# Allegro board HY_IP6538_V10.brd
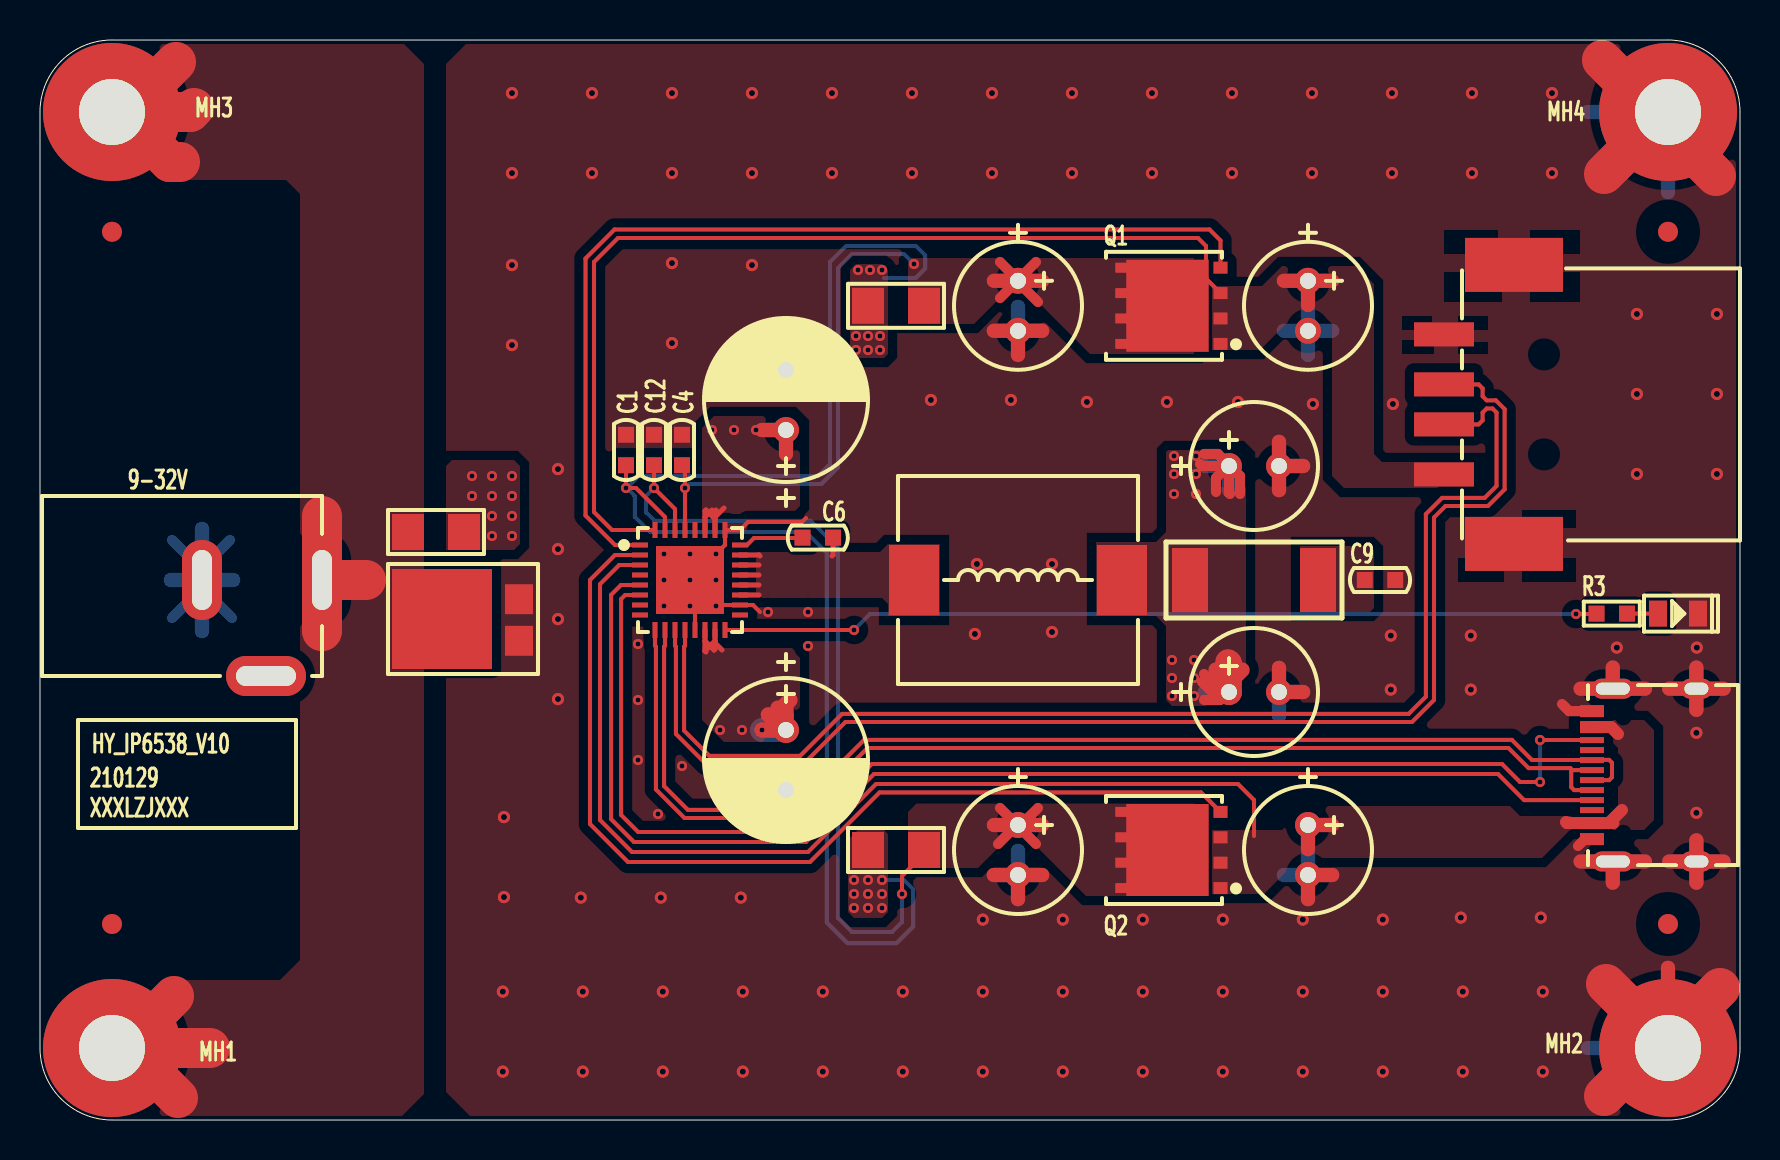
[diagram p0: board, top side]
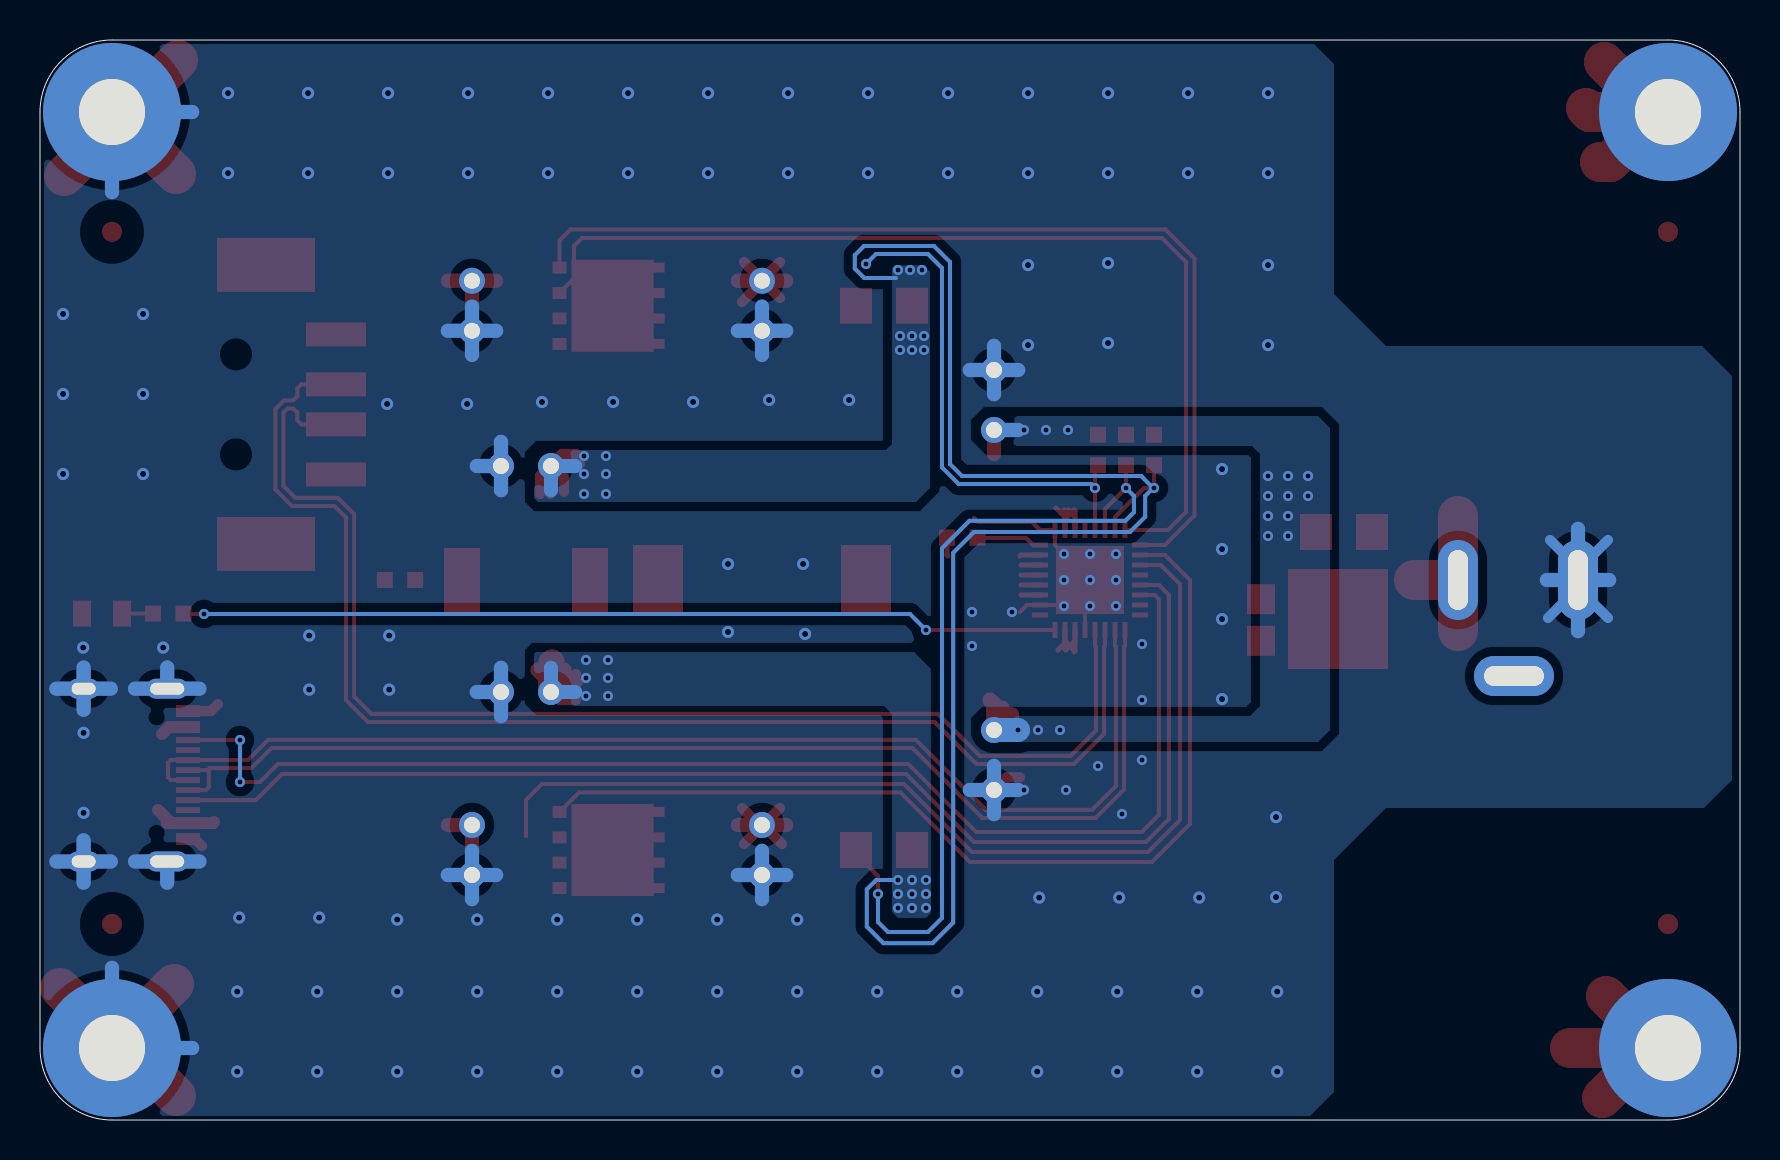
[diagram p1: board, bottom side, seen from below]

Outline 85 x 54 mm; copper layers: TOP, BOTTOM. Coordinates in mm from the lower left corner of the outline.
Outline path: 0,50.4 arc(1.05,52.95) 3.6,54 81.4,54 arc(83.95,52.95) 85,50.4 85,3.6 arc(83.95,1.05) 81.4,0 3.6,0 arc(1.05,1.05) 0,3.6 0,50.4

## Design rules (mm)
constraint set DEFAULT: min track width 0.203, pair gap 0.203
net group DP1: nets DM1 DP1
net group DP2: nets DM2 DP2

## Placement (name value [footprint] x y rotation side)
C1  100nF_50V  [C0603]  29.3 33.5 270 top
C2  100uF_50V  [CAP-3R0-8X12]  37.3 36 90 top
C3  100uF_25V  [CAP-2R5-6R3X7]  48.9 40.71 270 top
C4  100nF_50V  [C0603]  32.1 33.5 90 top
C5  100uF_25V  [CAP-2R5-6R3X7]  63.4 40.71 270 top
C6  100nF_50V  [C0603]  38.89 29.12 0 top
C7  100uF_25V  [CAP-2R5-6R3X7]  60.7 21.4 0 top
C8  100uF_25V  [CAP-2R5-6R3X7]  60.7 32.7 0 top
C9  1nF_50V  [C0603]  67 27 180 top
C10  100uF_50V  [CAP-3R0-8X12]  37.3 18 270 top
C11  100uF_25V  [CAP-2R5-6R3X7]  48.9 13.5 270 top
C12  100nF_50V  [C0603]  30.7 33.5 90 top
C13  100uF_25V  [CAP-2R5-6R3X7]  63.4 13.5 270 top
D1  LED_GREEN  [LED0805]  81.9 25.32 0 top
D2  V10P10  [TO-277A]  22.6 25 90 top
DC1  -  [DC005]  8.1 27 0 top
F1  0469005.WR  [FUSE1206]  19.8 29.4 0 top
L1  SMMS1040-100M  [L10040]  48.9 27 0 top
MH1  Hold-M3/NI  [HOLD6R90X3R40]  3.6 3.6 0 top
MH2  Hold-M3/NI  [HOLD6R90X3R40]  81.4 3.6 0 top
MH3  Hold-M3/NI  [HOLD6R90X3R40]  3.6 50.4 0 top
MH4  Hold-M3/NI  [HOLD6R90X3R40]  81.4 50.4 0 top
MP1  MarkPoint/NI  [MARKPOINT_R3]  3.6 9.8 0 top
MP2  MarkPoint/NI  [MARKPOINT_R3]  81.4 9.8 0 top
MP3  MarkPoint/NI  [MARKPOINT_R3]  81.4 44.41 0 top
MP4  MarkPoint/NI  [MARKPOINT_R3]  3.6 44.41 0 top
NOREF  -  []  0 0 90 top
NOREF#2  -  []  0 0 0 top
NOREF#3  -  []  3.6 3.6 90 top
NOREF#4  -  []  3.6 3.6 0 top
Q1  WSD30140DN  [DFN5X6]  56.2 40.71 90 top
Q2  WSD30140DN  [DFN5X6]  56.2 13.5 90 top
R1  0R01  [R1206]  42.8 40.71 180 top
R2  2R  [R2512]  60.7 27 180 top
R3  4.7K  [R0603]  78.59 25.32 0 top
R4  0R01  [R1206]  42.8 13.5 180 top
U1  IP6538  [QFN32-5X5X0R5-3R4X3R4]  32.5 27 270 top
USB1  USB-A  [USB-A-SMD]  71.1 35.78 0 top
USB2  -  [TYPE-C-31-M-12]  77.6 17.25 90 top

## Library data of the parts
C1 C4 C6 C9 C12 = CAP NP_2
C2 C3 C5 C7 C8 C10 C11 C13 = CAPT_100UF_3528_6r3V_10%_LXXXX
D1 = LED_2
D2 = DIODE13_6
DC1 = DC005
F1 = FUSE
L1 = IND_BEAD_0805_600OHM_1
MH1-MH4 = Hold_1
MP1-MP4 = MarkPoint_0
Q1 Q2 = SI4497DY-T1-GE3_2
R1-R4 = R_Generic
U1 = IP6538
USB1 = USB-A
USB2 = TYPE-C_16P

## Footprints (pads in the part's own frame, mm; a bottom-side part is the same pattern mirrored in y, then rotated)
C0603
  rect 0.8x0.8 smd: 1(-0.762,0) 2(0.762,0)
CAP-2R5-6R3X7
  round 1.3 hole 0.8: 1(-1.25,0) 2(1.25,0)
CAP-3R0-8X12
  round 1.3 hole 0.8: 1(-1.5,0) 2(1.5,0)
DC005
  oval 2x4 hole 1x3: 1(6,0) 2(0,0)
  oval 4x2 hole 3x1: 3(3.2,-4.8)
DFN5X6
  rect 0.6x0.7 smd: 1(-1.905,-2.825) 2(-0.635,-2.825) 3(0.635,-2.825) 4(1.905,-2.825)
  custom 4.6x4.67 smd: 5(0,0.1)
FUSE1206
  rect 1.6x1.8 smd: 1(-1.4,0) 2(1.4,0)
HOLD6R90X3R40
  round 6.9 hole 3.3: 1(0,0)
L10040
  rect 2.5x3.5 smd: 1(-5.2,0) 2(5.2,0)
LED0805
  rect 0.9x1.3 smd: 1(-1,0) 2(1,0)
MARKPOINT_R3
  round 1 smd: 1(0,0)
QFN32-5X5X0R5-3R4X3R4
  rect 0.25x0.8 smd: 1(-1.75,-2.5) 2(-1.25,-2.5) 3(-0.75,-2.5) 4(-0.25,-2.5) 5(0.25,-2.5) 6(0.75,-2.5) 7(1.25,-2.5) 8(1.75,-2.5) 17(1.75,2.5) 18(1.25,2.5) 19(0.75,2.5) 20(0.25,2.5) 21(-0.25,2.5) 22(-0.75,2.5) 23(-1.25,2.5) 24(-1.75,2.5)
  rect 0.8x0.25 smd: 9(2.5,-1.75) 10(2.5,-1.25) 11(2.5,-0.75) 12(2.5,-0.25) 13(2.5,0.25) 14(2.5,0.75) 15(2.5,1.25) 16(2.5,1.75) 25(-2.5,1.75) 26(-2.5,1.25) 27(-2.5,0.75) 28(-2.5,0.25) 29(-2.5,-0.25) 30(-2.5,-0.75) 31(-2.5,-1.25) 32(-2.5,-1.75)
  rect 3.4x3.4 smd: 33(0,0)
R0603
  rect 0.8x0.8 smd: 1(-0.762,0) 2(0.762,0)
R1206
  rect 1.6x1.8 smd: 1(-1.4,0) 2(1.4,0)
R2512
  rect 1.8x3.2 smd: 1(-3.2,0) 2(3.2,0)
TO-277A
  rect 1.5x1.4 smd: 1(-1.04,-1.35) 2(1.04,-1.35)
  rect 5x5 smd: 3(0.05,2.5)
TYPE-C-31-M-12
  rect 0.6x1.2 smd: 1(-3.2,0) 2(-2.4,0) 11(2.4,0) 12(3.2,0)
  rect 0.3x1.2 smd: 3(-1.75,0) 4(-1.25,0) 5(-0.75,0) 6(-0.25,0) 7(0.25,0) 8(0.75,0) 9(1.25,0) 10(1.75,0)
  oval 1x2.1 hole 0.6x1.7: 13(-4.32,-1.04) 14(4.32,-1.04)
  oval 1x1.6 hole 0.6x1.2: 15(-4.32,-5.22) 16(4.32,-5.22)
USB-A-SMD
  rect 3x1.2 smd: 1(-0.9,-3.5) 2(-0.9,-1) 3(-0.9,1) 4(-0.9,3.5)
  rect 4.9x2.7 smd: 5(2.6,-6.975) 6(2.6,6.975)

## Nets
GND: C1.1 C2.2 C3.2 C4.2 C5.2 C7.2 C8.2 C9.1 C10.2 C11.2 C12.2 C13.2 D1.2(CATHODE) D2.1 D2.2 DC1.2 MH2.1 MH4.1 U1.13 U1.18 U1.25 U1.33 USB1.4 USB1.5 USB1.6 USB2.1 USB2.12 USB2.13 USB2.14 USB2.15 USB2.16
VCC_VIN: D2.3(CATHODE) DC1.1 F1.1 MH1.1 MH3.1
VIN: C2.1 C10.1 F1.2 U1.14 U1.15 U1.26 U1.27
CCB1: U1.5 USB2.4
CCB2: U1.6 USB2.10
DM1: U1.12 USB1.2
DM2: U1.9 USB2.5 USB2.7
DP1: U1.11 USB1.3
DP2: U1.10 USB2.6 USB2.8
VOS1: C3.1 C4.1 Q1.5 R1.1 U1.29
VOS2: C11.1 C12.1 Q2.5 R4.1 U1.30
VOUT: C1.2 C7.1 C8.1 L1.2(B) R1.2 R2.2 R4.2 U1.31
VOUT1: C5.1 Q1.1 Q1.2 Q1.3(S3) U1.32 USB1.1(VBUS)
VOUT1G: Q1.4 U1.1
VOUT2: C13.1 Q2.1 Q2.2 Q2.3(S3) U1.3 USB2.2 USB2.11(VBUS2)
VOUT2G: Q2.4 U1.2(VOUT2G)
N17558372: C6.2 L1.1 U1.19 U1.20 U1.21 U1.22 U1.23
N17558420: C6.1 U1.24
N17558621: D1.1 R3.2
N17558798: R3.1 U1.16
N175638001: C9.2 R2.1

Pads without a net: DC1 3; MP1 1; MP2 1; MP3 1; MP4 1; U1 4 7 8 17 28; USB2 3 9

## Via types
v1: diameter 0.508, hole 0.254, TOP to BOTTOM, 74 vias
v2: diameter 0.61, hole 0.305, TOP to BOTTOM, 104 vias

## Routing (per net, layer and track width the routed paths; a pad name or vN(x,y) marks a point on that pad's centre or on a via; arc(x,y) is an arc through that point)
GND: length 174.6
  TOP w0.203: 38.3,30.1 38.1,29.9 35.4,29.9 35,29.5 U1.25 34.25,28.75 v1(33.8,28.3) v1(32.5,27) 32.75,26.75 ; 32.75,26.75 33.75,25.75 U1.18 35.65,25.75 36,25.4 ; 32.75,26.75 U1.13
  TOP w0.508: 76.1,20.8 76.45,20.45 USB2.12 ; USB2.1 77.25,14.05 76.9,13.7 ; v1(35.8,16.5) C10.2 36.66,17.14 36,17.14
  TOP w0.711: USB2.16 84.18,21.57 ; USB2.16 82.82,22.62 ; USB2.16 82.82,20.51 ; USB2.16 81.46,21.57 ; 48.9,11.04 C11.2 ; C11.2 47.69,12.25 ; C11.2 50.11,12.25 ; 77.03,21.57 USB2.14 ; USB2.14 80.25,21.57 ; USB2.14 78.64,22.62 ; C8.2 63.16,32.7 ; C8.2 61.95,33.91 ; C8.2 61.95,31.49 ; 77.03,12.93 USB2.13 ; USB2.13 78.64,11.87 ; USB2.13 80.25,12.93 ; 64.61,12.25 C13.2 63.4,11.04 ; 47.69,39.46 C3.2 ; C3.2 50.11,39.46 ; C3.2 48.9,38.25 ; USB2.15 84.18,12.93 ; USB2.15 82.82,11.87 ; USB2.15 82.82,13.98 ; USB2.15 81.46,12.93 ; C2.2 37.3,38.71 ; C2.2 37.3,36.29 ; C2.2 38.51,37.5 ; C2.2 36.09,37.5 ; 61.95,22.61 C7.2 63.16,21.4 ; 81.4,4 81.4,7.61
  TOP w2: 81.3,50.4 78.2,47.3 ; 81.3,50.4 80.7,50.4 78.1,53 ; 81.3,50.4 MH4.1 81.4,49.6 83.8,47.2 ; 84,6.6 81.4,4 81.4,3.7 ; 81.4,3.7 78.3,6.8 ; 81.4,3.7 MH2.1 80.6,3.6 78.2,1.2
  BOTTOM w0.508: 6.6,25.1 8.1,26.6 9.6,25.1 ; 8.1,27.5 6.6,29 ; 8.1,27.6 9.5,29
  BOTTOM w0.711: C13.2 64.61,12.25 ; C13.2 62.19,12.25 ; C13.2 63.4,13.46 ; C13.2 63.4,11.04 ; C5.2 63.4,40.67 ; C5.2 62.19,39.46 ; C5.2 64.61,39.46 ; C5.2 63.4,38.25 ; C7.2 63.16,21.4 ; C7.2 61.95,22.61 ; C7.2 61.95,20.19 ; 47.69,39.46 C3.2 ; C3.2 48.9,40.67 ; C3.2 48.9,38.25 ; C3.2 50.11,39.46 ; 81.4,46.39 MH4.1 77.39,50.4 ; C2.2 37.3,38.71 ; C2.2 36.09,37.5 ; C2.2 38.51,37.5 ; C2.2 37.3,36.29 ; 81.4,7.61 MH2.1 77.39,3.6 ; 77.03,12.93 USB2.13 ; USB2.13 78.64,11.87 ; USB2.13 80.25,12.93 ; USB2.14 80.25,21.57 ; USB2.14 78.64,22.62 ; USB2.14 77.03,21.57 ; C10.2 38.51,16.5 ; C10.2 37.3,17.71 ; C10.2 37.3,15.29 ; C10.2 36.09,16.5 ; USB2.16 82.82,22.62 ; USB2.16 82.82,20.51 ; USB2.16 81.46,21.57 ; USB2.16 84.18,21.57 ; 82.82,11.87 USB2.15 ; USB2.15 84.18,12.93 ; USB2.15 81.46,12.93 ; USB2.15 82.82,13.98 ; 48.9,11.04 C11.2 ; C11.2 47.69,12.25 ; C11.2 50.11,12.25 ; C11.2 48.9,13.46 ; C8.2 63.16,32.7 ; C8.2 61.95,31.49 ; C8.2 61.95,33.91 ; 8.1,24.44 DC1.2 ; 6.54,27 DC1.2 ; DC1.2 8.1,29.56 ; DC1.2 9.66,27
  vias: v1(29.9,23.8) v1(29.9,21) v1(29.9,18) v1(30.9,15.3) v1(31.2,28.3) v1(31.2,27) v1(31.2,25.7) v1(32.1,17.7) v1(32.5,28.3) v1(32.5,25.7) v1(33.7,16.5) v1(33.8,27) v1(33.8,25.7) v1(36.4,25.4) v1(38.4,25.4) v1(38.4,23.7) v2(23.14,6.42) v2(23.14,2.42) v2(23.2,15.15) v2(23.2,11.15) v2(23.6,51.35) v2(23.6,47.35) v2(23.6,42.75) v2(23.6,38.75) v2(25.9,32.55) v2(25.9,28.55) v2(25.9,25.05) v2(25.9,21.05) v2(27.04,11.12) v2(27.14,6.42) v2(27.14,2.42) v2(27.6,51.35) v2(27.6,47.35) v2(31.04,11.12) v2(31.14,6.42) v2(31.14,2.42) v2(31.6,51.35) v2(31.6,47.35) v2(31.6,42.85) v2(31.6,38.85) v2(35.04,11.12) v2(35.14,6.42) v2(35.14,2.42) v2(35.6,51.35) v2(35.6,47.35) v2(35.6,42.75) v2(35.6,38.75) v2(39.14,6.42) v2(39.14,2.42) v2(39.6,51.35) v2(39.6,47.35) v2(43.14,6.42) v2(43.14,2.42) v2(43.6,51.35) v2(43.6,47.35) v2(44.55,36) v2(46.75,24.3) v2(46.85,27.8) v2(47.14,10.02) v2(47.14,6.42) v2(47.14,2.42) v2(47.6,51.35) v2(47.6,47.35) v2(48.55,36) v2(50.6,27.8) v2(50.6,24.4) v2(51.14,10.02) v2(51.14,6.42) v2(51.14,2.42) v2(51.6,51.35) v2(51.6,47.35) v2(52.35,35.9) v2(55.14,10.02) v2(55.14,6.42) v2(55.14,2.42) v2(55.6,51.35) v2(55.6,47.35) v2(56.35,35.9) v2(59.14,10.02) v2(59.14,6.42) v2(59.14,2.42) v2(59.6,51.35) v2(59.6,47.35) v2(59.9,35.9) v2(63.14,10.02) v2(63.14,6.42) v2(63.14,2.42) v2(63.6,51.35) v2(63.6,47.35) v2(63.65,35.8) v2(67.14,10.02) v2(67.14,6.42) v2(67.14,2.42) v2(67.54,24.22) v2(67.54,21.52) v2(67.6,51.35) v2(67.6,47.35) v2(67.65,35.8) v2(71.04,10.12) v2(71.14,6.42) v2(71.14,2.42) v2(71.54,24.22) v2(71.54,21.52) v2(71.6,51.35) v2(71.6,47.35) v2(75.04,10.12) v2(75.14,6.42) v2(75.14,2.42) v2(75.6,51.35) v2(75.6,47.35) v2(78.84,23.62) v2(79.85,40.3) v2(79.85,36.3) v2(79.85,32.3) v2(82.84,23.62) v2(82.82,19.36) v2(82.82,15.36) v2(83.85,40.3) v2(83.85,36.3) v2(83.85,32.3)
VCC_VIN: length 33.7
  TOP w0.203: D2.3 18.45,25.05 18.3,24.9
  TOP w2: DC1.1 14.1,24.44 ; DC1.1 14.1,30.2 ; DC1.1 16.3,27 ; 4.3,50.4 6.8,52.9 ; 4.3,50.4 7.5,50.4 7.7,50.6 ; 4.3,50.4 4,50.4 ; 4,50.4 6.5,47.9 7,47.9 ; 4,50.4 MH3.1 ; 4.4,3.6 6.9,1.1 ; 4.4,3.6 4.1,3.6 ; 4.4,3.6 8.5,3.6 ; 4.1,3.6 MH1.1 ; 4.1,3.6 6.7,6.2
VIN: length 16.9
  TOP w0.254: 33.75,23.85 33.75,23.55 33.7,23.5 33.25,23.95 ; 33.75,23.85 34.1,23.5 ; 33.75,23.85 33.75,23.95 ; 33.75,30.05 33.3,30.5 33.25,30.45 33.25,30.15 ; 33.75,30.05 33.75,30.15 ; 33.75,30.05 U1.26 ; 33.75,30.15 34.2,30.6 ; 33.75,30.15 33.75,30.45 33.8,30.5 ; 33.25,23.95 U1.14 ; 33.25,23.95 33.25,23.45 ; 33.25,23.45 33.3,23.4 ; 33.25,23.45 33.75,23.95 ; U1.15 33.75,23.95 ; 33.25,30.15 33.6,30.5 ; 33.25,30.15 U1.27
  TOP w0.711: 36.09,34.5 C2.1 37.3,33.29
  TOP w0.762: 37.3,20.2 36.9,20.6 ; 37.3,20.2 37.3,20.8 37.5,21 ; 37.3,20.2 C10.1 ; v1(36.1,19.5) 37.18,19.5 36.42,20.26
  BOTTOM w0.711: 36.09,34.5 C2.1
  BOTTOM w1.2: C10.1 v1(36.1,19.5)
  vias: v1(21.6,32.2) v1(21.6,31.2) v1(22.6,32.2) v1(22.6,31.2) v1(22.6,30.2) v1(22.6,29.2) v1(23.6,32.2) v1(23.6,31.2) v1(23.6,30.2) v1(23.6,29.2) v1(33.6,34.5) v1(34,19.5) v1(34.7,34.5) v1(35.1,19.5) v1(35.8,34.5)
CCB1: length 64.3
  TOP w0.203: USB2.4 74.2,16 72.9,17.3 41.7,17.3 38.3,13.9 29.7,13.9 28.55,15.05 28.55,26.25 29.05,26.75 U1.5
CCB2: length 64.6
  TOP w0.203: v1(75,16.9) 74,16.9 73.1,17.8 41.59,17.8 38.19,14.4 29.91,14.4 29.05,15.25 29.05,26.05 29.26,26.25 U1.6 ; v1(75,19) 77.6,19 USB2.10
  BOTTOM w0.203: v1(75,16.9) v1(75,19)
DM1: length 64.1
  TOP w0.203: U1.12 32.25,23.71 32.2,23.67 32.2,19.47 33.47,18.21 38.01,18.21 40.11,20.31 68.43,20.31 69.29,21.17 69.29,30.29 70.11,31.11 72.23,31.11 72.83,31.7 72.83,35.37 72.62,35.58 72.33,35.58 72.13,35.37 72.13,34.98 71.93,34.78 USB1.2
DM2: length 59.3
  TOP w0.203: USB2.5 76.7,16.5 76.56,16.64 76.56,17.44 76.61,17.5 ; USB2.7 76.61,17.5 ; 76.61,17.5 76.52,17.59 74.43,17.59 73.43,18.6 41.37,18.6 37.87,15.1 32.23,15.1 30.8,16.53 30.8,23.67 30.75,23.71 U1.9
DP1: length 66.1
  TOP w0.203: U1.11 31.75,23.71 31.8,23.67 31.8,19.3 33.3,17.8 38.17,17.8 40.27,19.9 68.6,19.9 69.7,21 69.7,30.13 70.27,30.7 72.4,30.7 73.23,31.53 73.23,35.54 72.79,35.98 72.33,35.98 72.13,36.19 72.13,36.58 71.93,36.78 USB1.3
DP2: length 59.4
  TOP w0.203: USB2.6 78.46,17 78.6,17.14 78.6,17.86 78.46,18 77.61,18 USB2.8 77.6,18 74.6,18 73.59,19.01 41.21,19.01 37.71,15.51 32.39,15.51 31.2,16.7 31.2,23.67 31.25,23.71 U1.10
VOS1: length 33.3
  TOP w0.203: C4.1 32.25,32.59 v1(32.25,31.6) U1.29
  TOP w0.508: 48.9,42 49.8,42.9 ; 48.9,42 48,42.9 ; 48.9,42 C3.1 48.9,41.9 49.9,40.9 ; 48.86,41.96 48,41.1
  TOP w0.711: 47.69,41.96 C3.1 50.11,41.96
  BOTTOM w0.203: v1(43.7,42.8) 43.2,43.3 40.6,43.3 39.9,42.6 39.9,32.63 39.07,31.8 32.45,31.8 v1(32.25,31.6)
VOS2: length 49.1
  TOP w0.203: R4.1 44.2,13.3 43.1,12.2 v1(43.1,11.3) ; U1.30 31.75,30.55 v1(30.7,31.6) C12.1
  TOP w0.508: 47.9,13.8 48.85,14.75 48,15.6 ; 49.05,14.75 49.9,15.6 ; 49.8,13.8 48.9,14.7 C11.1
  TOP w0.711: 47.69,14.75 C11.1 50.11,14.75
  BOTTOM w0.203: v1(30.7,31.6) 30.3,31.2 30.3,30.39 30.73,29.96 38.53,29.96 39.9,28.59 39.9,10.1 40.6,9.4 42.6,9.4 43.1,9.9 v1(43.1,11.3)
VOUT: length 92.5
  TOP w0.203: U1.31 31.25,30.15 29.8,31.6 v1(29.3,31.6) C1.2
  TOP w0.508: C8.1 59.5,32.7 60,32.2 60,31.3 ; C8.1 59.45,32.75 58.9,33.3 58.2,33.3 ; C8.1 59.45,31.35 59.5,31.3 ; C8.1 59.4,32.7 ; 59.1,21.4 58.6,21.4 58.1,21.9 ; 59.1,21.4 58.2,22.3 ; 59.1,21.4 59.4,21.4 ; 58,32.8 58.1,32.7 59.4,32.7 ; C7.1 59.4,21.4 ; 59.4,21.4 59,21 58.2,21 ; 59.4,32.7 58.8,32.1 58.8,31.4
  TOP w0.762: 58.8,22.5 59.45,21.85 60.1,22.5
  TOP w1.27: 59.4,22.9 59.45,22.85 C7.1
  BOTTOM w0.203: 42.2,42.1 43.79,42.1 44.26,42.57 44.26,43.24 43.8,43.7 40.3,43.7 39.5,42.9 39.5,32.8 38.9,32.2 29.94,32.2 29.34,31.6 ; 29.34,31.6 29.74,31.2 29.74,30.16 30.5,29.4 38.3,29.4 39.34,28.36 39.34,9.87 40.37,8.84 42.83,8.84 43.66,9.67 43.66,11.53 43.19,12 v1(42.1,12) ; 29.34,31.6 v1(29.3,31.6)
  BOTTOM w0.711: 58.24,32.7 C8.1 59.45,31.49 ; 59.45,22.61 C7.1 58.24,21.4
  vias: v1(40.7,12) v1(40.7,11.3) v1(40.7,10.6) v1(40.8,39.2) v1(40.8,38.5) v1(40.9,42.5) v1(41.4,39.2) v1(41.4,38.5) v1(41.4,12) v1(41.4,11.3) v1(41.4,10.6) v1(41.5,42.5) v1(42,39.2) v1(42,38.5) v1(42.1,42.5) v1(42.1,11.3) v1(42.1,10.6) v1(56.6,23) v1(56.6,22.1) v1(56.6,21.2) v1(56.7,33.2) v1(56.7,32.3) v1(56.7,31.3) v1(57.7,23) v1(57.7,22.1) v1(57.7,21.2) v1(57.8,33.2) v1(57.8,32.3) v1(57.8,31.3)
VOUT1: length 53.5
  TOP w0.203: U1.32 28.6,29.5 27.7,30.4 27.7,42.9 28.9,44.1 57.9,44.1 58.3,43.7 58.3,42.07 59.02,41.35
  TOP w0.711: 62.19,41.96 C5.1 ; C5.1 63.4,40.75 ; C5.1 64.61,41.96
VOUT1G: length 50.1
  TOP w0.203: U1.1 28.75,28.75 27.28,30.22 27.28,43.08 28.72,44.52 58.48,44.52 59.02,43.98 59.02,42.62
VOUT2: length 58.3
  TOP w0.203: 60.7,14.2 60.7,16 59.9,16.8 41.8,16.8 38.4,13.4 29.6,13.4 28,15 28,26.79 28.96,27.75 U1.3
  TOP w0.6: 79.1,15.5 78.45,14.85 ; 78.45,14.85 78.67,14.85 ; 78.45,14.85 USB2.2 76.35,14.85 76.3,14.9 ; 78.9,19.3 78.55,19.65 USB2.11
  TOP w0.711: 64.61,14.75 C13.1 63.4,13.54
VOUT2G: length 49.4
  TOP w0.203: 59.02,15.4 58.05,16.38 41.98,16.38 38.5,12.9 29.4,12.9 27.5,14.8 27.5,27 28.75,28.25 U1.2
N17558372: length 5.8
  TOP w0.254: U1.23 35.95,28.25 36,28.2 ; C6.2 39.65,28.25 39.6,28.2 ; U1.21 35.95,27.25 ; U1.19 35.95,26.25 ; U1.22 35.95,27.75 ; U1.20 35.95,26.75
N17558420: length 3.3
  TOP w0.203: C6.1 38.11,29.1 35.7,29.1 35.35,28.75 U1.24
N17558621: length 1.5
  TOP w0.203: R3.2 D1.1
N17558798: length 43.9
  TOP w0.203: U1.16 v1(40.7,24.5) ; v1(76.8,25.3) 77.81,25.3 R3.1
  BOTTOM w0.203: v1(76.8,25.3) 41.5,25.3 v1(40.7,24.5)

## Copper pours and planes (outline as drawn; the poured copper is in the pictures)
GND on TOP: 20.3,1.4 20.3,52.8 21.3,53.8 81.3,53.8 84.8,50.3 84.8,3.6 81.4,0.2 21.5,0.2 ; 14 cut-outs
GND on BOTTOM: 20.3,1.4 20.3,13 17.7,15.6 1.8,15.6 0.4,17 0.4,37.2 1.9,38.7 17.7,38.7 20.3,41.3 20.3,52.8 21.3,53.8 81.3,53.8 84.8,50.3 84.8,3.6 81.4,0.2 21.5,0.2
VCC_VIN on TOP: 3,53.8 18.2,53.8 19.2,52.8 19.2,1.3 18.1,0.2 3.6,0.2 0.2,3.6 0.2,3.9 3.3,7 12,7 13,8 13,46.3 12.3,47 3.3,47 0.4,49.9 0.4,51.2
VIN on TOP: 33.1,24.9 33.9,24.9 33.9,24.8 33.2,24.8 33.2,23.7 34,23.7 34,23.8 34.2,23.6 37.6,23.6 38,23.2 38,19.4 37.5,18.9 34.2,18.9 33.1,20
VIN on TOP: 20.3,28.5 23.7,28.5 24,28.8 24,32.7 23.7,33 20.6,33 20.3,32.7
VIN on TOP: 33.7,35.2 37.6,35.2 38,34.8 38,30.7 37.6,30.3 34.2,30.3 33.9,30 33.9,30.3 33.1,30.3 33.1,34.6
VIN on BOTTOM: 24.4,33.7 37.5,33.7 38,34.2 38,34.8 37.6,35.2 21.1,35.2 20.5,34.6 20.5,19.5 21.1,18.9 37.5,18.9 38,19.4 38,19.9 37.7,20.2 24.5,20.2 24,20.7 24,33.3
VOS1 on TOP: 43.4,39.8 43.4,42.9 43.6,43.1 57.7,43.1 57.7,38.3 52.5,38.3 49.7,41.1 48,41.1 46.7,39.8
VOS2 on TOP: 43.4,12.6 43.4,15.4 43.9,15.9 57.7,15.9 57.7,11.2 52.3,11.2 49.7,13.8 48.1,13.8 46.9,12.6
VOUT on TOP: 40.6,14.5 42.2,14.5 42.4,14.3 42.4,10.4 42.1,10.1 40.7,10.1 40.4,10.4 40.4,14.3
VOUT on TOP: 40.8,42.8 42.1,42.8 42.4,42.5 42.4,38.3 42.2,38.1 40.7,38.1 40.5,38.3 40.5,42.5
VOUT on TOP: 52.8,28.9 55.8,28.9 56.3,29.4 56.3,33.4 56.4,33.5 60,33.5 60.3,33.2 60.3,21 60,20.7 56.6,20.7 56.3,21 56.3,24.7 55.8,25.2 52.8,25.2
VOUT on BOTTOM: 60.2,23.4 41.3,23.4 40.4,22.5 40.4,10.4 40.7,10.1 42.1,10.1 42.4,10.4 42.4,20.3 42.8,20.7 60,20.7 60.3,21 60.3,23.3
VOUT on BOTTOM: 60.1,30.9 41.2,30.9 40.5,31.6 40.5,42.5 40.8,42.8 42.2,42.8 42.4,42.6 42.4,33.8 42.7,33.5 60,33.5 60.3,33.2 60.3,31.1
VOUT1 on TOP: 71.7,31.6 65.2,31.6 64.6,32.2 64.6,39.8 64.1,40.3 62.8,40.3 61,38.5 58.6,38.5 58.6,41.7 61.1,41.7 62.1,42.7 65.8,42.7 66.7,41.8 66.7,33.3 67.1,32.9 71.7,32.9
VOUT2 on TOP: 58.6,11.3 58.6,14.5 62.1,14.5 63.3,15.7 73.5,15.7 74,15.2 78.4,15.2 78.9,15.7 78.9,18.6 78.2,19.3 76.9,19.3 76.9,20 80.2,20 80.7,19.5 80.7,15 80.2,14.5 76.5,14.5 75.1,13.1 63,13.1 61.2,11.3
N17558372 on TOP: 42.4,28.8 45,28.8 45,25.2 42.4,25.2 42.4,25.8 42.1,26.1 35.8,26.1 35.8,28.4 42,28.4
N175638001 on TOP: 63,28.7 66.5,28.7 66.7,28.5 66.7,25.6 66.5,25.4 63,25.4

## Text on the board
Ref Des/Silkscreen Top: 210129 | XXXLZJXXX | HY_IP6538_V10 | 9-32V
DISPLAY_TOP: FIGURE | FINISHED_SIZE | 0.254 | 0.3048 | 0.8 | 3.3 | 1.2x0.6 | 1.7x0.6 | 3.0x1.0 | DRILL CHART: TOP to BOTTOM | ALL UNITS ARE IN MILLIMETERS | ROTATION | - | 0.000 | 90.000 | PLATED | QTY | 74 | 104 | 16 | 4 | 2 | 1 | 205 | TOTAL HOLES:
